# KiCad board CDJ-MainBoard.kicad_pcb (continued)
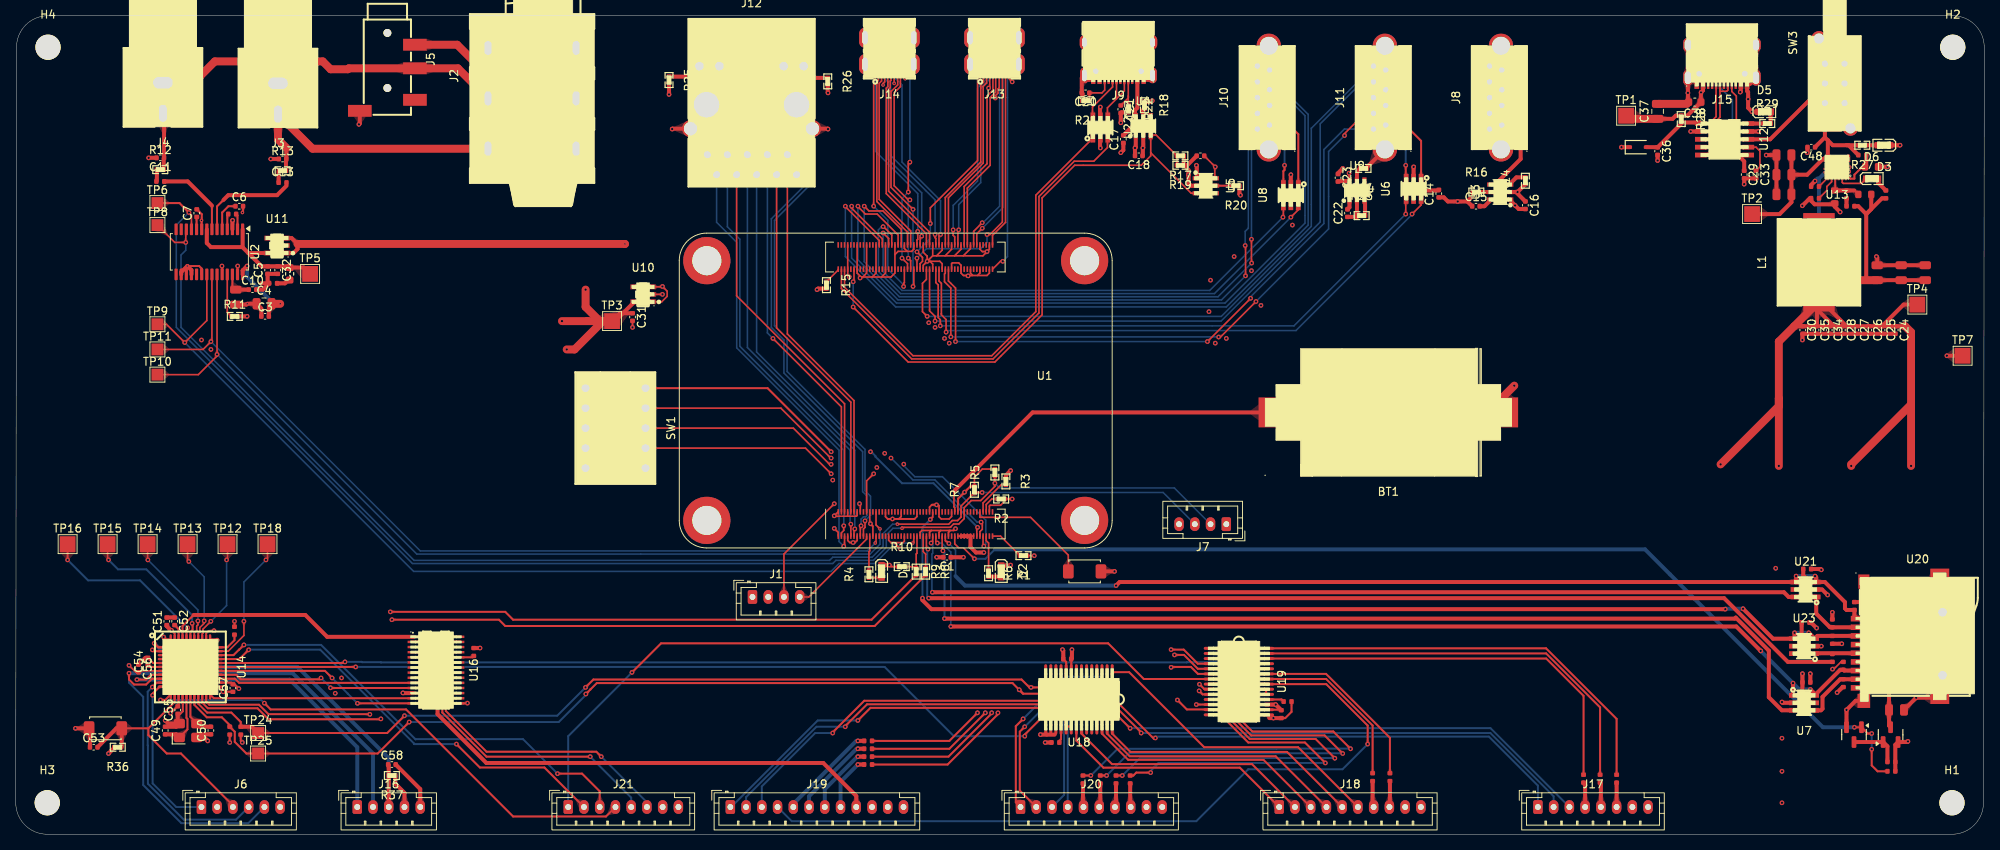
[diagram p0: board, top side]
## Routing (per net, layer and track width the routed paths; a pad name or vN(x,y) marks a point on that pad's centre or on a via; arc(x,y) is an arc through that point) (continued)
  Bottom w0.2: v1(111.2,47.8) 113.97,45.03 116.78,45.03 122.14,39.67 v1(122.64,39.67)
/Compute Module/S_EEPROM_WP_GND: length 35.6
  Top w0.2: v1(109,45.8) 108.1,44.9 U1.20 ; SW1.4 100.34,49.06 v1(103.6,45.8)
  In2.Cu w0.2: v1(103.6,45.8) v1(109,45.8)
/Compute Module/S_WIFI_GND: length 50.7
  Top w0.2: v1(122.2,39) 122.1,38.9 U1.89
  Top w0.25: v1(103.6,48.6) 95.52,56.68 SW1.1
  In2.Cu w0.25: v1(103.6,48.6) v1(108.6,48.6)
  Bottom w0.25: v1(122.2,39) 116.6,44.6 112.6,44.6 109.23,47.97 109.23,48.06 108.86,48.43 108.77,48.43 v1(108.6,48.6)
/Compute Module/SD_CLK: length 8.1
  Top w0.5: U23.6 U23.1 228.6,23 U20.5
/Compute Module/SD_CMD: length 133.7
  Top w0.2: v1(116.2,40) 116.5,40.3 U1.62
  Top w0.5: v1(217.2,28.6) 116.34,28.6 115.2,29.74 v1(115.2,30) ; v1(227.8,25.6) U23.3 228.9,25.2 R70.2 U20.3 ; v1(226,25.6) 226,25 U23.4 223.26,24.85 v1(219.45,28.65)
  Bottom w0.25: v1(115.2,30) 115.2,39 v1(116.2,40)
  Bottom w0.5: v1(219.45,28.65) 217.25,28.65 v1(217.2,28.6) ; v1(227.8,25.6) v1(226,25.6)
/Compute Module/SD_DAT0: length 134.4
  Top w0.2: v1(117.1,37) 116.9,37.2 U1.63
  Top w0.5: v1(221.7,23.3) 221.7,23.3 218.6,26.4 v1(118.8,26.4) ; U7.1 225.8,17.7 v1(225.8,19.2) ; U20.7 232.3,20.8 R76.2 231.8,20.9 U7.6 228.55,17.85 v1(228,18.4)
  Bottom w0.2: v1(118.8,26.4) 118.8,35.86 117.66,37 v1(117.1,37)
  Bottom w0.5: v1(228,18.4) 226.6,18.4 v1(225.8,19.2) 221.7,23.3 v1(221.7,23.3)
/Compute Module/SD_DAT1: length 137.5
  Top w0.2: v1(117.8,36.01) 117.7,36.11 U1.67
  Top w0.5: U20.8 233.95,19.7 R75.2 231.8,19.7 229.55,17.45 229.55,15.95 229.35,15.75 U7.4 U7.3 224.39,15.75 222.73,17.41 222.73,23.33 218.53,27.53 218.4,27.4 v1(118,27.4)
  Bottom w0.25: v1(117.8,36.01) 118,35.81 v1(118,27.4)
/Compute Module/SD_DAT2: length 125.1
  Top w0.2: v1(118.55,36.95) 118.31,37.2 118.2,37.2 118.1,37.3 U1.69
  Top w0.5: v1(139.8,31.6) 140.25,32.05 U21.4 226.2,32.2 v1(226.2,32.8) ; U20.1 233.6,27.75 R74.2 232.6,28.5 232.4,28.7 232.4,29.5 229.85,32.05 U21.3 228.75,32.65 v1(228.6,32.8)
  Bottom w0.2: 119.4,32.8 119.4,36.11 v1(118.55,36.95)
  Bottom w0.5: 119.4,32.8 120.6,31.6 v1(139.8,31.6) ; v1(228.6,32.8) v1(226.2,32.8)
/Compute Module/SD_DAT3: length 128.2
  Top w0.2: U1.61 116.5,37.2 v1(116.3,37)
  Top w0.5: v1(116.46,30.75) 224.65,30.75 225.25,30.15 U21.6 U21.1 228.75,28.04 230.49,26.3 R72.2 U20.2
  Bottom w0.2: v1(116.3,37) 116.5,36.8 116.5,35.7 116.4,35.6 116.4,30.6 116.4,30.69 v1(116.46,30.75)
/Compute Module/SD_PWR_ON: length 134.8
  Top w0.2: U1.75 119.3,36.9 119.8,36.4 120.4,36.4 v1(121.8,35)
  Top w0.25: v1(235.8,10.8) 235.8,8.75 236.55,8 R71.2 ; v1(235.8,12.8) 235.3,12.8 Q1.1 v1(233.6,13.6)
  Bottom w0.25: 124.4,36.2 123.2,35 v1(121.8,35) ; v1(235.8,10.8) v1(235.8,12.8)
  Bottom w0.5: v1(233.6,13.6) 229.6,13.6 207,36.2 124.4,36.2
/Compute Module/SD_VDD: length 13
  Top w0.5: U20.4 235.25,24.1 238,21.35 C76.2 238,13.8 Q2.3
/HDMI and Ethernet/eth_nled_2: length 72
  Top w0.2: 90,97.6 J12.13 ; U1.17 107.7,38.79 107.9,38.99 v1(107.9,39.83)
  Top w0.5: v1(100.8,86.8) 90,97.6
  Bottom w0.2: v1(100.8,86.8) 100.8,82.4 96.4,78 96.4,64.6 98,63 98,58.8 107.9,48.9 107.9,43.65 108.6,42.95 108.6,40.53 v1(107.9,39.83)
/HDMI and Ethernet/eth_nled_3: length 69
  Top w0.2: v1(107.4,39.2) 107.3,39.1 U1.15
  Bottom w0.2: J12.12 96.72,96.75 96.72,89.88 100.4,86.2 100.4,82.6 96,78.2 96,64.4 97.6,62.8 97.6,58.6 107.6,48.6 107.6,43.53 108.2,42.92 108.2,40.55 107.98,40.33 107.69,40.33 107.4,40.03 v1(107.4,39.2)
/HDMI and Ethernet/eth_p0_n: length 46.8
  Top w0.2: J12.3 96.67,64.33 106.1,54.9 U1.10
/HDMI and Ethernet/eth_p0_p: length 48.9
  Top w0.2: J12.2 98.03,63.57 106.5,55.1 U1.12
/HDMI and Ethernet/eth_p1_n: length 48.5
  Top w0.2: J12.7 91.59,68.41 105.3,54.7 U1.6
/HDMI and Ethernet/eth_p1_p: length 49.3
  Top w0.2: U1.4 104.9,54.3 v1(96.2,63)
  Bottom w0.2: v1(96.2,63) 95.49,63.71 J12.4
/HDMI and Ethernet/eth_p2_n: length 53.9
  Top w0.2: U1.9 v1(106.1,39.4)
  Bottom w0.2: J12.6 92.95,61.85 106,48.8 106,39.5 v1(106.1,39.4)
/HDMI and Ethernet/eth_p2_p: length 51.3
  Top w0.2: U1.11 106.5,38.7 v1(106.6,38.8)
  Bottom w0.2: J12.5 94.13,61.27 106.6,48.8 v1(106.6,38.8) 106.6,38.59
/HDMI and Ethernet/eth_p3_n: length 55.2
  Top w0.2: U1.5 105.3,36.7 v1(105.2,36.6)
  Bottom w0.2: v1(105.2,36.6) 104.6,37.2 104.6,48.8 91.6,61.8 91.6,75.2 89.05,77.75 J12.9
/HDMI and Ethernet/eth_p3_p: length 54.7
  Top w0.2: U1.3 104.9,38.3 105.2,38.6 v1(105.2,39.2)
  Bottom w0.2: v1(105.2,39.2) 105.2,48.8 92,62 92,75.6 90.41,77.19 J12.8
/USB DJ Ports/USB_AUX_POWR_VBUS: length 14.3
  Top w0.5: J8.1 188.9,90.1 191.2,87.8 191.2,85.8 188.43,83.03 188.43,80.88 188.19,80.65 U3.6 186.6,79.8 C15.2
/USB DJ Ports/USB_C_DJ_DM: length 60.9
  Top w0.2: U1.103 104.9,69.33 113.83,60.4 124.17,60.4 130,66.23 130,81.03 134.48,85.52 136.97,85.52 138.7,87.25 138.7,88.4
/USB DJ Ports/USB_C_DJ_DP: length 57.5
  Top w0.2: U1.105 105.3,69.5 114,60.8 124,60.8 129.6,66.4 129.6,81.2 136.8,88.4
/USB DJ Ports/USB_C_DJ_VBUS: length 15.1
  Top w0.2: 138.37,97.2 138.37,97.12 137.7,96.44 J9.11 ; 141.83,97.2 141.83,97.12 142.5,96.44 J9.2
  Top w0.5: 141.83,97.2 141.23,97.8 138.97,97.8 138.37,97.2 ; J9.2 142.5,92.3 142.2,92 142.2,91.23 U4.6 142.3,90.38 C17.2
/USB DJ Ports/USB_DJ_DM: length 68.1
  Top w0.2: v1(110.2,77.2) 110.25,77.2 111.3,76.15 U1.136 ; v1(162,78.4) 162.95,79.35 162.95,79.65
  Bottom w0.2: v1(110.2,77.2) 110,77.2 109.6,76.8 109.6,71.53 112.43,68.7 152.3,68.7 v1(162,78.4)
/USB DJ Ports/USB_DJ_DP: length 63.6
  Top w0.2: v1(110.2,76.4) 110.9,75.7 U1.134 ; v1(161,78.4) 161.05,78.45 161.05,79.65
  Bottom w0.2: v1(110.2,76.4) 110.2,71.49 112.59,69.1 151.7,69.1 v1(161,78.4)
/USB DJ Ports/USB_DJ_SSRXM: length 102.4
  Top w0.2: v1(105.4,79.8) 105.4,79.75 109.7,75.45 U1.128
  Bottom w0.2: v1(105.4,79.8) 105.4,73.4 111.8,67 153.8,67 164.2,77.4 164.2,91.47 159.67,96 158.55,96 157.75,96.8 J10.5
/USB DJ Ports/USB_DJ_SSRXP: length 98.8
  Top w0.2: v1(106.2,79.8) 106.2,79.55 110.1,75.65 U1.130
  Bottom w0.2: J10.6 159.5,95.6 163.8,91.3 163.8,77.65 153.64,67.5 111.91,67.5 106.2,73.2 v1(106.2,79.8)
/USB DJ Ports/USB_DJ_SSTXM: length 88.7
  Top w0.2: U1.140 112.1,76.15 109.45,78.8 107.95,78.8 107,79.75 v1(107,79.8) ; v1(156.25,70.95) 156.25,74.75 v1(156.2,74.8)
  Bottom w0.2: J10.8 156.6,90.45 156.6,77 156.2,76.6 v1(156.2,74.8) ; v1(156.25,70.95) 153.19,67.9 112.09,67.9 107,72.99 v1(107,79.8)
/USB DJ Ports/USB_DJ_SSTXP: length 85.1
  Top w0.2: U1.142 112.5,76.87 110.17,79.2 108.4,79.2 v1(107.8,79.8) ; v1(157,75.6) 157,72.6 v1(157.02,72.58)
  Bottom w0.2: J10.9 157,88.85 v1(157,75.6) ; v1(157.02,72.58) 152.75,68.3 112.26,68.3 107.8,72.76 v1(107.8,79.8)
/USB DJ Ports/USB_DJ_VBUS: length 12.6
  Top w0.2: C19.2 152.35,84.85 U5.6
  In1.Cu w0.2: J10.1 159.3,89.95 154.15,84.8 v1(152.4,84.8)
/USB DJ Ports/USB_DJ_VBUS_EN: length 81.4
  Top w0.2: 144.2,86.6 144.2,86.2 143,85 134.53,85 130.4,80.87 130.4,66 124.4,60 113.39,60 v1(106.39,66.99) ; 144.2,86.6 U4.3 144.89,88.84 R17.2 R19.2 ; 144.2,86.6 144.2,86.59 149.33,81.45 U5.3 ; v1(106.4,70.2) 106.5,70.3 U1.111
  Bottom w0.2: v1(106.4,70.2) 106.4,67 v1(106.39,66.99)
/USB DJ Ports/USB_SCR_DM: length 76.1
  Top w0.2: 178.55,80.5 178.55,79.95 v1(177.4,78.8) ; v1(118.2,63.8) 118.2,65.4 117.6,66 117.6,66.13 117.6,66.13 117.6,70 117.3,70.3 U1.165
  Bottom w0.2: v1(177.4,78.8) 177.4,78.75 162.65,64 118.2,64 v1(118.2,63.8)
/USB DJ Ports/USB_SCR_DP: length 74.2
  Top w0.2: 176.65,80.5 176.6,80.45 v1(176.6,78.8) ; U1.163 116.9,70.1 117.2,69.8 117.2,65.97 117.2,65.97 117.2,65.65 117.47,65.38 v1(117.47,64.6)
  Bottom w0.2: v1(117.47,64.6) 162.4,64.6 v1(176.6,78.8)
/USB DJ Ports/USB_SCR_SSRXM: length 83.6
  Top w0.2: U1.157 115.7,70.5 115.2,70 115.2,66.4 v1(115.8,65.8)
  Bottom w0.2: J11.5 164.6,89.7 164.6,77.23 153.17,65.8 v1(115.8,65.8)
/USB DJ Ports/USB_SCR_SSRXP: length 82.5
  Top w0.2: U1.159 116.1,66.5 116.8,65.8 v1(116.8,65.2)
  Bottom w0.2: J11.6 171.07,95.6 165.73,90.27 165.73,77.8 153.13,65.2 v1(116.8,65.2)
/USB DJ Ports/USB_SCR_SSTXM: length 80.4
  Top w0.2: v1(157.58,67.69) 153.06,63.18 v1(152.82,63.18) ; U1.169 118.1,71.3 118,71.2 118,70.2 118.8,69.4 v1(118.8,63.2) ; J11.8 171.4,91.6 168.82,89.02 v1(168.82,88.78)
  Bottom w0.2: v1(157.58,67.69) 166.8,76.92 166.8,86.75 v1(168.82,88.78) ; v1(152.82,63.18) 152.8,63.2 v1(118.8,63.2)
/USB DJ Ports/USB_SCR_SSTXP: length 79.4
  Top w0.2: U1.171 118.5,70.3 119.4,69.4 119.4,62.6 v1(119.4,62.6) ; v1(156.89,68.11) 156.89,68.09 v1(151.4,62.6)
  Bottom w0.2: v1(119.4,62.6) v1(151.4,62.6) ; J11.9 168.8,89.6 166.2,87 166.2,77.6 156.8,68.2
/USB DJ Ports/USB_SCR_VBUS: length 10.6
  Top w0.2: 169.4,83 U9.6 169.4,83 v1(169.4,84)
  Top w0.5: 167.96,83 169.4,83
  In1.Cu w0.2: J11.1 174.05,89.95 169.4,85.3 v1(169.4,84)
I2C_SCL: length 165.3
  Top w0.2: U2.12 21.6,76.79 v1(21.6,75.2) 20.2,75.2 TP8.1 ; v1(122.78,43.42) 121.89,43.42 R7.1 121.73,43.33 120.1,41.7 U1.80 120.1,40.3 119.66,39.86 118.99,39.86 118.53,39.4 v2(112,39.4)
  Bottom w0.2: v2(112,39.4) 111.4,39.4 110.2,38.2 110.2,36.6 108.8,35.2 103.8,35.2 103.4,34.8 50.6,34.8 21,64.4 21,73.6 21.6,74.2 v1(21.6,75.2) ; v1(122.78,43.42) 145.78,43.42 J7.3
I2C_SDA: length 175.2
  Top w0.2: R5.1 v1(124.4,44.6) 124.4,44.2 122.6,42.4 121.4,42.4 120.5,41.5 U1.82 120.5,40.1 119.82,39.42 119.15,39.42 118.8,39.07 118.73,39 112.6,39 112.6,39 112.6,38.88 v2(112.6,38.88) ; U2.11 22.33,78.68 v1(22,79)
  Top w0.25: v1(22,79) 20.8,80.2 TP6.1
  Bottom w0.2: J7.2 147.2,44 125,44 v1(124.4,44.6) ; v1(22,79) 20.4,77.4 20.4,64.4 50.4,34.4 103.8,34.4 104.2,34.8 108.97,34.8 110.6,36.43 110.6,38.03 111.44,38.87 112.22,38.87 112.22,38.88 v2(112.6,38.88)
I2S_BCK: length 121.2
  Top w0.2: U2.21 24.27,65.28 v1(21.48,62.48) 19.15,64.8 TP9.1 ; U1.49 114.1,37.13 v2(113.97,37)
  Bottom w0.2: v1(21.48,62.48) 50.55,33.4 103.6,33.4 104.6,34.4 109.13,34.4 111.73,37 v2(113.97,37)
I2S_DIN: length 112.6
  Top w0.2: v2(109.2,37) 109.3,37.1 U1.25 ; TP11.1 23.8,61.6 v1(24.8,62.6) 24.93,62.73 U2.22
  Bottom w0.2: v1(24.8,62.6) 51.4,36 108.2,36 v2(109.2,37)
I2S_LRCLK: length 118.5
  Top w0.2: U1.26 109.3,39.3 v2(109.8,38.8) ; U2.23 v1(25.58,60.98) 25.58,60.78 23.2,58.4 TP10.1
  Bottom w0.2: v2(109.8,38.8) 109.8,36.86 108.54,35.6 50.95,35.6 v1(25.58,60.98)
ISP_MISO: length 20.5
  Top w0.25: v1(17.39,17.66) 17.39,17.86 18.29,18.76 U14.11
  Bottom w0.25: J6.1 20.39,3.46 17.39,6.46 v1(17.39,17.66)
ISP_MOSI: length 29.5
  Top w0.25: U14.10 17.91,19.26 v1(17.35,18.7)
  Bottom w0.25: J6.4 27.99,1.86 21.35,1.86 16.79,6.42 16.79,11.26 16.76,11.29 16.76,18.12 v1(17.35,18.7)
ISP_RESET: length 31.1
  Top w0.25: 16.85,13.46 16.85,12.6 19.19,10.26 20.99,10.26 27.59,3.66 J6.3 ; 16.85,13.46 20.19,16.8 U14.13 ; 16.85,13.46 SW4.2 ; 13.46,11.13 R36.1
  Top w0.5: 13.46,11.13 SW4.2 12.79,13.46 C53.2
ISP_SCK: length 80.9
  Top w0.25: v1(14.39,20.46) 14.39,19.66 15.03,19.02 16.56,19.02 17.3,19.76 U14.9
  Bottom w0.25: v1(14.39,20.46) 14.39,19.26 16.19,17.46 16.19,6.26 21.04,1.41 29.54,1.41 J6.5
  Bottom w0.5: J16.2 45.39,10.26 35.19,20.46 v1(14.39,20.46)
UART_ATMEGA_RX: length 108.8
  Top w0.25: v1(46.39,14.66) 46.34,14.61 32.12,14.61 30.72,16.01 24.4,16.01 23.69,16.72 U14.20 ; R8.2 109.13,26.46 62.19,26.46 61.39,27.26 v1(47.79,27.26)
  In1.Cu w0.25: v1(47.79,27.26) 47.59,27.26 46.99,26.66 46.99,15.26 v1(46.39,14.66)
UART_ATMEGA_TX: length 106.1
  Top w0.25: R9.2 108.73,27.26 63.19,27.26 62.19,28.26 v1(47.59,28.26) ; U14.21 24.19,16.86 24.59,16.46 30.9,16.46 32.1,15.26 44.96,15.26 v1(44.99,15.23)
  In1.Cu w0.25: v1(47.59,28.26) 46.39,27.06 46.39,16.66 44.99,15.26 v1(44.99,15.23)
Net-(C2-Pad2): length 1.8
  Top w0.5: C2.2 34.2,70 34.62,70.42 FB1.1
Net-(C9-Pad1): length 1.5
  Top w0.25: 17.93,83.01 C9.1
  Top w0.5: R12.1 17.93,83.01
Net-(C12-Pad1): length 1.5
  Top w0.25: 33.4,84.23 R13.1
  Top w0.5: C12.1 33.4,84.23
Net-(C47-Pad1): length 1
  Top w0.5: R32.2 C47.1
Net-(C51-Pad2): length 1
  Top w0.5: C52.1 C51.2
Net-(D1-A): length 1.6
  Top w0.25: R4.1 110.01,32.6 D1.2
Net-(D2-A): length 1.6
  Top w0.2: 125.12,32.73 D2.2
  Top w0.5: R6.2 125.12,32.73
Net-(D3-A): length 1.6
  Top w0.5: R27.1 D3.2
Net-(D5-A): length 1.5
  Top w0.5: D5.2 222.97,91.77 R29.2
Net-(D6-A): length 1.9
  Top w0.5: D6.2 236.6,82.8 R33.2
Net-(D6-K): length 3.9
  Top w0.2: U13.11 232.06,82.82 232.18,82.7 234.5,82.7 D6.1
Net-(J1-Pin_3): length 18.8
  Top w0.2: U1.16 107.3,41.9 v1(107.2,42) ; v1(104,42) 97.6,35.6 J1.3
  In2.Cu w0.2: v1(107.2,42) v1(104,42)
Net-(J1-Pin_4): length 11.9
  Top w0.2: U1.19 108.1,37.5 100.75,30.15 J1.4
Net-(J9-CC1): length 4.9
  Top w0.2: J9.4 141.35,93.8 ; 141.35,93.8 141.35,92.65 R22.1 ; 141.35,93.8 141.35,93.55 C21.1
Net-(J9-CC2): length 4.4
  Top w0.2: J9.10 138.35,94.55 138,94.2 C20.1 R21.1
Net-(J9-DN1): length 8.1
  Top w0.2: 138.7,91.1 138.7,92.3 139.85,93.45 ; 139.85,93.45 140.85,94.45 J9.5 ; 139.85,93.45 J9.7
Net-(J9-DP1): length 8.7
  Top w0.2: 136.8,91.1 136.8,92.4 139.35,94.95 J9.8 139.35,96.68 139.67,97 140.03,97 140.35,96.68 J9.6
Net-(J10-D+): length 13.1
  Top w0.25: 161.05,82.35 161.05,84.25 161.2,84.4 v1(161.2,85)
  Bottom w0.25: J10.3 161.2,92.7 v1(161.2,85)
Net-(J10-D-): length 11.8
  Top w0.25: 162.95,82.35 162.95,88.95 J10.2
Net-(J11-D+): length 12.5
  Top w0.25: v1(176.6,85) 176.6,83.25 176.65,83.2
  Bottom w0.25: v1(176.6,85) 176.6,92.05 J11.3
Net-(J11-D-): length 11.3
  Top w0.25: 178.55,83.2 178.55,88.1 J11.2
Net-(J12-Pad11): length 3.7
  Top w0.5: R26.1 101.61,96.1 J12.11
Net-(J12-Pad14): length 4.4
  Top w0.5: R25.1 85.53,96.27 J12.14
Net-(J13-CEC): length 33.4
  Top w0.2: v1(114.5,73.2) U1.151 ; J13.15 125.35,77.78 123.77,76.2 v1(123.4,76.2)
  Bottom w0.2: v1(123.4,76.2) 123.4,75.2 122.6,74.4 115.7,74.4 v1(114.5,73.2)
Net-(J13-CK+): length 28.4
  Top w0.2: v1(122.8,77.7) 121.7,76.61 U1.188 ; J13.12 124.75,98.64 124.9,98.79 124.9,99.46 v1(124.77,99.6)
  Bottom w0.2: v1(122.8,77.7) 122.8,77.6 122.8,77.6 125,79.8 125,99.36 v1(124.77,99.6)
Net-(J13-CK-): length 28.2
  Top w0.2: J13.14 125.15,98.36 125.47,98.67 v1(125.47,99.6) ; v1(122.8,77) 122.1,76.3 U1.190
  Bottom w0.2: v1(125.47,99.6) 125.47,79.67 v1(122.8,77)
Net-(J13-D0+): length 23.1
  Top w0.2: U1.182 120.5,82.3 123.4,85.2 123.4,93.8 124.15,94.55 J13.9
Net-(J13-D0-): length 23.1
  Top w0.2: U1.184 120.9,82.1 123.8,85 123.8,93.6 124.5,94.3 124.5,96.38 J13.11
Net-(J13-D1+): length 28.4
  Top w0.2: v1(119.1,76.8) 119.1,76.1 119.3,75.9 U1.176 ; v1(123.4,99.4) 123.55,99.25 J13.6
  Bottom w0.2: v1(123.4,99.4) 123.6,99.2 123.6,96.22 122.2,94.83 122.2,83 119.1,79.9 v1(119.1,76.8)
Net-(J13-D1-): length 28.6
  Top w0.2: J13.8 123.9,97.71 123.9,99.19 123.9,99.19 123.9,99.46 v1(124.06,99.62) ; U1.178 119.7,76.7 v1(119.8,76.8)
  Bottom w0.2: v1(124.06,99.62) 124.06,99.46 123.9,99.3 123.9,96.1 122.6,94.8 122.6,82.8 119.8,80 v1(119.8,76.8)
Net-(J13-D2+): length 23.6
  Top w0.2: J13.3 122.95,95.55 122.6,95.2 122.6,85.4 118.1,80.9 U1.170
Net-(J13-D2-): length 23.6
  Top w0.2: J13.5 123.35,95.45 122.9,95 122.91,94.99 122.91,85.29 118.5,80.87 U1.172
Net-(J13-HPD/HEAC-): length 28.4
  Top w0.2: J13.1 122.2,96.09 122.2,85.6 116.2,79.6 v1(116.2,77.6) ; v1(114.5,74) 115.2,73.3 115.2,72.8 114.9,72.5 U1.153
  Bottom w0.2: v1(116.2,77.6) 116.2,75.7 v1(114.5,74)
Net-(J13-SCL): length 22.2
  Top w0.2: J13.17 125.75,77.75 124.1,76.1 U1.200
Net-(J13-SDA): length 28.2
  Top w0.2: U1.199 125.1,72.8 v1(125.4,72.8) ; J13.18 125.95,97.84 v1(126.3,98.19)
  Bottom w0.2: v1(125.4,72.8) 126,73.4 126,97.89 v1(126.3,98.19)
Net-(J14-CEC): length 30.6
  Top w0.2: v1(114,79.4) 111.2,82.2 111.2,94.4 111.24,94.4 112.05,95.21 112.05,96.39 J14.15 ; U1.149 114.1,69.7 v1(114,69.6)
  Bottom w0.2: v1(114,79.4) v1(114,69.6)
Net-(J14-CK+): length 28.8
  Top w0.2: v1(111.4,99.4) 111.4,99.11 111.3,99.01 111.3,98.59 111.4,98.49 J14.12 ; U1.164 116.9,75.7 116.8,75.8 v1(116.8,76.2)
  Bottom w0.2: v1(116.8,76.2) 116.8,80.6 111.15,86.25 111.15,99.15 v1(111.4,99.4)
Net-(J14-CK-): length 27.5
  Top w0.2: v1(117.5,76.2) 117.3,76 U1.166 ; J14.14 v1(111.8,98.8)
  Bottom w0.2: v1(117.5,76.2) 117.5,80.5 112.6,85.4 112.6,95.2 111.8,96 v1(111.8,98.8)
Net-(J14-D0+): length 23.8
  Top w0.2: U1.158 115.7,76.3 110.6,81.4 110.6,94.8 110.8,95 110.8,95.57 J14.9
Net-(J14-D0-): length 23.8
  Top w0.2: U1.160 116.1,76.5 110.9,81.7 110.9,94.68 111.1,94.88 111.1,95.7 111.2,95.8 J14.11
Net-(J14-D1+): length 28.6
  Top w0.2: v1(109.8,99.2) 109.7,99.1 109.7,98.79 110.2,98.29 J14.6 ; U1.152 114.5,75.5 114.6,75.6 v1(114.6,76.6)
  Bottom w0.2: v1(114.6,76.6) 114.6,81.4 109.2,86.8 109.2,95.6 109.8,96.2 v1(109.8,99.2)
Net-(J14-D1-): length 27.3
  Top w0.2: v1(115.1,76) 114.9,75.8 U1.154 ; v1(110.4,98.8) 110.6,98.6 J14.8
  Bottom w0.2: v1(115.1,76) 115.1,81.5 110.8,85.8 110.8,95.6 110.2,96.2 110.2,98.6 v1(110.4,98.8)
Net-(J14-D2+): length 23.3
  Top w0.2: U1.146 113.3,76.5 109.4,80.4 109.4,95.61 109.6,95.81 J14.3
Net-(J14-D2-): length 23.3
  Top w0.2: J14.5 110,95.72 109.7,95.42 109.7,80.67 113.7,76.67 113.7,76.33 113.7,76.33 U1.148
Net-(J14-HPD/HEAC-): length 30.7
  Top w0.2: J14.1 109,96.24 v1(109,79.8) ; v1(112.8,69.6) 112.8,70 112.9,70.1 U1.143
  Bottom w0.2: v1(109,79.8) 110.8,78 110.8,71.8 112.8,69.8 v1(112.8,69.6)
Net-(J14-SCL): length 26.1
  Top w0.2: v1(113.4,73.2) 113.7,72.9 U1.147 ; J14.17 112.4,95 111.6,94.2 111.6,82.4 113.4,80.6 v1(113.6,80.6)
  Bottom w0.2: v1(113.4,73.2) 113.4,80.4 v1(113.6,80.6)
Net-(J14-SDA): length 29
  Top w0.2: v1(113.6,85.4) 113.4,85.2 v1(113.4,81.6) ; v1(112.99,98.65) 112.6,98.27 J14.18 ; v1(112.6,73.2) 113.3,72.5 U1.145
  Bottom w0.2: v1(112.6,73.2) 112.6,80.8 v1(113.4,81.6) ; v1(112.99,98.65) 112.99,96.81 113.6,96.2 v1(113.6,85.4)
Net-(J15-CC1): length 13.9
  Top w0.2: J15.A5 218.02,94.38 218.6,93.8 218.6,87.8 219.1,87.3 U12.7 221.1,87.3 221.6,86.8 221.6,84.8 C33.1
Net-(J15-CC2): length 16.4
  Top w0.2: J15.B5 215.02,96.36 v1(215.04,96.37)
  Top w0.5: C29.1 219.6,85.5 v1(218.8,86.3) U12.6
  Bottom w0.2: v1(218.8,86.3) 218.6,86.3 218.1,86.8 218.1,93.31 v1(215.04,96.37)
Net-(J15-DN1): length 13.2
  Top w0.2: U12.5 214.75,86.3 215.66,87.21 215.66,90.24 216.52,91.11 J15.A7 216.52,94.45 216.57,94.4 217.37,94.4 217.52,94.55 J15.B7
Net-(J15-DP1): length 12.3
  Top w0.2: U12.4 215.05,87.3 215.15,87.4 215.15,90.3 216.02,91.17 J15.B6 216.02,96.25 216.07,96.3 216.98,96.3 217.02,96.25 J15.A6
Net-(Q1-D): length 6.4
  Top w0.5: Q1.3 Q2.1 237.8,11.17 R73.2
Net-(U1B-GPIO14): length 4.2
  Top w0.2: U1.55 115.3,35.9 115.6,35.6 R8.1
Net-(U1B-GPIO15): length 5.6
  Top w0.2: R10.2 114.2,34 R9.1 114.4,35.6 114.5,35.7 U1.51
Net-(U1D-USB_OTG_ID): length 2.2
  Top w0.2: U1.101 104.5,71.7 R15.1
Net-(U1I-SD_CLK): length 126.2
  Top w0.2: U1.57 115.7,36.42 v1(115.9,36.22)
  Top w0.5: R69.1 225.15,21.9 217.05,30 v1(116,30)
  Bottom w0.25: v1(115.9,36.22) 115.8,36.12 115.8,30.2 v1(116,30)
Net-(U1J-CC1): length 5
  Top w0.2: U1.94 122.9,42.1 125.2,44.4 R3.2
Net-(U1J-CC2): length 2.7
  Top w0.2: R2.2 124,42.6 123.3,41.9 U1.96
Net-(U1J-PMIC_ENABLE): length 4.5
  Top w0.2: R1.2 125.12,37.88 U1.99
Net-(U1J-PWR_Button): length 16
  Top w0.2: SW2.1 133.72,35.48 128.93,40.27 122.53,40.27 122.5,40.3 U1.92
Net-(U1J-VBAT): length 47.6
  Top w0.2: 119.3,43.7 119.2,43.6 119.2,41.6 119.3,41.5 U1.76
  Top w0.5: BT1.1 129.2,53.6 119.3,43.7
Net-(U1J-~{PI_LED_nPWR}): length 4.4
  Top w0.2: U1.95 123.3,37.3 123.6,37 R6.1
Net-(U1J-~{Pi_nLED_Activity}): length 4.5
  Top w0.2: R4.2 108.4,35.9 108.5,36 U1.21
Net-(U2-CAPM): length 2
  Top w0.25: U2.4 26.88,78.68 C8.1
Net-(U2-CAPP): length 2
  Top w0.25: C8.2 28.18,78.63 U2.2
Net-(U2-LDOO): length 3.8
  Top w0.25: C60.1 27.52,69.64 U2.26
  Top w0.5: C10.1 C60.1
Net-(U2-OUTL): length 13.2
  Top w0.25: 26.4,80.6 25.58,79.78 U2.6 ; 34.4,82.4 C12.2
  Top w0.5: 34.4,82.4 33.2,81.2 27,81.2 26.4,80.6
Net-(U2-OUTR): length 10.3
  Top w0.25: 24.93,79.88 U2.7
  Top w0.5: C9.2 21.86,82.94 24.93,79.88
Net-(U2-VCOM/DEMP): length 1.6
  Top w0.25: C7.1 22.98,78.42 U2.10
Net-(U2-VNEG): length 4.2
  Top w0.25: C6.1 27.03,79.8 26.23,79 U2.5
Net-(U2-XSMT): length 5.6
  Top w0.2: R11.1 26.88,66.33 U2.25
Net-(U3-EN): length 2.4
  Top w0.5: R14.2 190.66,83.47 U3.3
Net-(U3-ILIM): length 1.5
  Top w0.5: R16.2 U3.5
Net-(U4-ILIM): length 1.1
  Top w0.5: R18.2 143.25,92.05 U4.5
Net-(U5-ILIM): length 2.3
  Top w0.25: U5.5 R20.2
Net-(U9-EN): length 2.1
  Top w0.25: 171.43,80.57 U9.3
  Top w0.5: R23.2 171.43,80.57
Net-(U9-ILIM): length 1.8
  Top w0.5: U9.5 170.4,84.2 R24.2
Net-(U12-PG): length 2
  Top w0.5: U12.10 R29.1
Net-(U12-VBUS): length 15.6
  Top w0.25: U12.8 220.6,88.3
  Top w0.5: SW3.2 231.2,94.05 228.65,94.05 222.9,88.3 U12.8
Net-(U12-VDD): length 8.4
  Top w0.5: D4.2 208.58,87.3 C36.1 211.6,90.28 R28.2 213.97,90.43 U12.1
Net-(U13-BS): length 1.6
  Top w0.2: U13.7 230.2,83.4 C44.2
Net-(U13-EN): length 5.2
  Top w0.25: 234.96,86.16 R30.2 ; U13.12 233,83.4 233.1,83.3 233.6,83.3 233.6,83.8 234.6,84.8 R31.1
  Top w0.5: R30.2 235.1,84.94 R31.1
Net-(U13-FB): length 4.8
  Top w0.2: 233.6,81.8 R34.1 ; 231.16,81.86 R35.1
  Top w0.25: U13.9 231.16,81.86
  Top w0.5: R35.1 R32.1 233.6,81.8
Net-(U13-LX): length 10.8
  Top w0.25: U13.2 231.38,85.02 v1(231.4,85)
  Top w0.5: v1(228.6,83) 228.1,82.5 C44.1
  Bottom w0.5: 229.1,82.3 229.1,82.5 ; 229.1,82.3 229.1,83.3 ; 229.1,82.3 v1(229.1,77.3) ; 229.1,83.3 228.9,83.3 v1(228.6,83) ; 229.1,83.3 230.8,85 v1(231.4,85)
Net-(U13-VCC): length 3.3
  Top w0.2: C45.2 230.1,81.8 230.1,82.3 230.71,82.91 U13.8
Net-(U14-AREF): length 2
  Top w0.25: C52.2 20.69,26.08 U14.42
Net-(U14-PC7): length 17
  Top w0.2: v1(31.79,34.86) 31.99,35.06 TP18.1 ; U14.32 26.99,23.26 28.99,25.26 v1(28.99,27.06)
  Bottom w0.2: v1(28.99,27.06) 28.99,32.06 v1(31.79,34.86)
Net-(U14-PF1): length 22.4
  Top w0.25: v1(6.59,34.86) TP16.1 ; v1(21.84,26.23) 21.69,26.08 U14.40
  Bottom w0.25: v1(21.84,26.23) 21.82,26.23 15.79,32.26 9.19,32.26 v1(6.59,34.86)
Net-(U14-PF4): length 18.8
  Top w0.2: v1(11.79,34.86) 11.67,34.98 TP15.1
  Top w0.25: U14.39 22.19,25.69 22.47,25.97 22.47,26.74 v1(22.41,26.8)
  Bottom w0.25: v1(11.79,34.86) 12.99,33.66 16.59,33.66 22.41,27.84 v1(22.41,26.8)
Net-(U14-PF5): length 14.9
  Top w0.2: v1(16.79,34.86) 16.75,34.9 TP14.1 ; v1(23.15,27.11) 23.15,26.62 22.99,26.46 22.99,25.89 22.69,25.59 U14.38
  Bottom w0.2: v1(23.15,27.11) 23.15,28.5 v1(16.79,34.86)
Net-(U14-PF6): length 13.3
  Top w0.2: U14.37 23.19,25.52 23.39,25.72 23.39,26.26 23.95,26.82 v1(23.95,27.11) ; v1(21.99,34.66) 21.83,34.82 TP13.1
  Bottom w0.2: v1(21.99,34.66) 23.95,32.7 v1(23.95,27.11)
Net-(U14-PF7): length 13.4
  Top w0.2: TP12.1 26.91,34.98 v1(26.79,34.86) ; v1(24.79,27.06) 23.79,26.06 23.79,25.56 23.69,25.45 U14.36
  Bottom w0.2: v1(24.79,27.06) 26.79,29.06 v1(26.79,34.86)
Net-(U14-UCAP): length 2
  Top w0.25: U14.6 16.99,21.26 C54.1
Net-(U14-XTAL1): length 6
  Top w0.25: U14.17 22.19,14.92 22.99,14.12 X1.3
  Top w0.5: X1.3 23.39,13.66 C50.2
Net-(U14-XTAL2): length 7.9
  Top w0.25: X1.1 21.82,13.33 21.82,14.66 21.69,14.78 U14.16
  Top w0.5: X1.1 20.39,12.7 C49.1
Net-(U14-~{HWB}/PE2): length 3.2
  Top w0.25: R41.1 27.79,24.66 26.89,23.76 U14.33
Net-(U18-RESET#): length 1.9
  Top w0.25: U18.18 132.81,12.08 132.59,11.86
Net-(U19-GPA1): length 22
  Top w0.25: U19.22 166.49,19.72 172.39,13.82 R62.1
Net-(U19-GPA2): length 23.6
  Top w0.25: U19.23 166.47,20.38 174.59,12.26 R61.1
Net-(U19-GPA3): length 55.2
  Top w0.25: U19.24 158.82,21.06 v1(157.19,21.06) ; v1(124.79,15.43) 124.79,15.26 118.39,8.86 R60.1
  In1.Cu w0.25: v1(124.79,15.43) 125.36,16.01 142.94,16.01 147.99,21.06 v1(157.19,21.06)
Net-(U19-GPA4): length 60.8
  Top w0.25: v1(169.59,10.86) 167.39,13.06 157.1,13.06 155.34,14.82 155.34,20.21 156.79,21.66 156.9,21.66 156.93,21.69 157.45,21.69 157.48,21.66 158.84,21.66 U19.25 ; R59.1 v1(136.59,7.46)
  Bottom w0.25: v1(169.59,10.86) 169.56,10.89 160.22,10.89 160.19,10.86 139.99,10.86 v1(136.59,7.46)
Net-(U19-GPA5): length 52.3
  Top w0.25: R58.1 199.19,17.58 194.45,22.33 U19.26
Net-(U19-GPA6): length 53.8
  Top w0.25: U19.27 194.44,22.98 201.29,16.12 R57.1
Net-(U19-GPA7): length 55.3
  Top w0.25: R56.1 203.39,14.66 194.42,23.63 U19.28
Net-(U19-GPB0): length 58.2
  Top w0.25: v1(168.59,10.26) 166.29,12.56 156.96,12.56 154.89,14.63 154.89,21.57 152.84,23.63 U19.1 ; R63.2 v1(138.59,7.46)
  Bottom w0.25: v1(168.59,10.26) 168.56,10.29 141.42,10.29 v1(138.59,7.46)
Net-(U19-GPB1): length 54
  Top w0.25: U19.2 152.84,22.98 154.44,21.37 154.44,14.45 156.78,12.11 165.14,12.11 v1(167.59,9.66) ; R64.2 v1(140.59,7.46)
  Bottom w0.25: v1(140.59,7.46) 142.82,9.69 167.56,9.69 v1(167.59,9.66)
Net-(U19-GPB2): length 49.6
  Top w0.25: v1(144.19,7.83) 142.36,7.83 141.99,7.46 R65.2 ; U19.3 152.84,22.33 153.99,21.17 153.99,14.26 156.59,11.66 163.79,11.66 v1(166.39,9.06)
  Bottom w0.25: v1(166.39,9.06) 145.19,9.06 144.19,8.06 v1(144.19,7.83)
Net-(U19-GPB3): length 48.7
  Top w0.25: R66.2 118.61,11.86 v1(122.19,15.43) ; U19.4 150.17,21.68 148.39,23.46 v1(146.79,23.46)
  In1.Cu w0.25: v1(122.19,15.43) 124.21,17.46 133.39,17.46 133.42,17.43 140.76,17.43 v1(146.79,23.46)
Net-(U19-GPB4): length 48.9
  Top w0.25: R67.2 118.61,10.86 v1(123.19,15.43) ; U19.5 150.19,21.03 148.43,22.79 v1(147.22,22.79)
  In1.Cu w0.25: v1(147.22,22.79) 141.42,16.98 131.82,16.98 131.79,17.01 124.68,17.01 123.19,15.52 v1(123.19,15.43)
